# Allegro board zp-dic_pda_8ch_board_v001_166_20241018_1809.brd (continued)
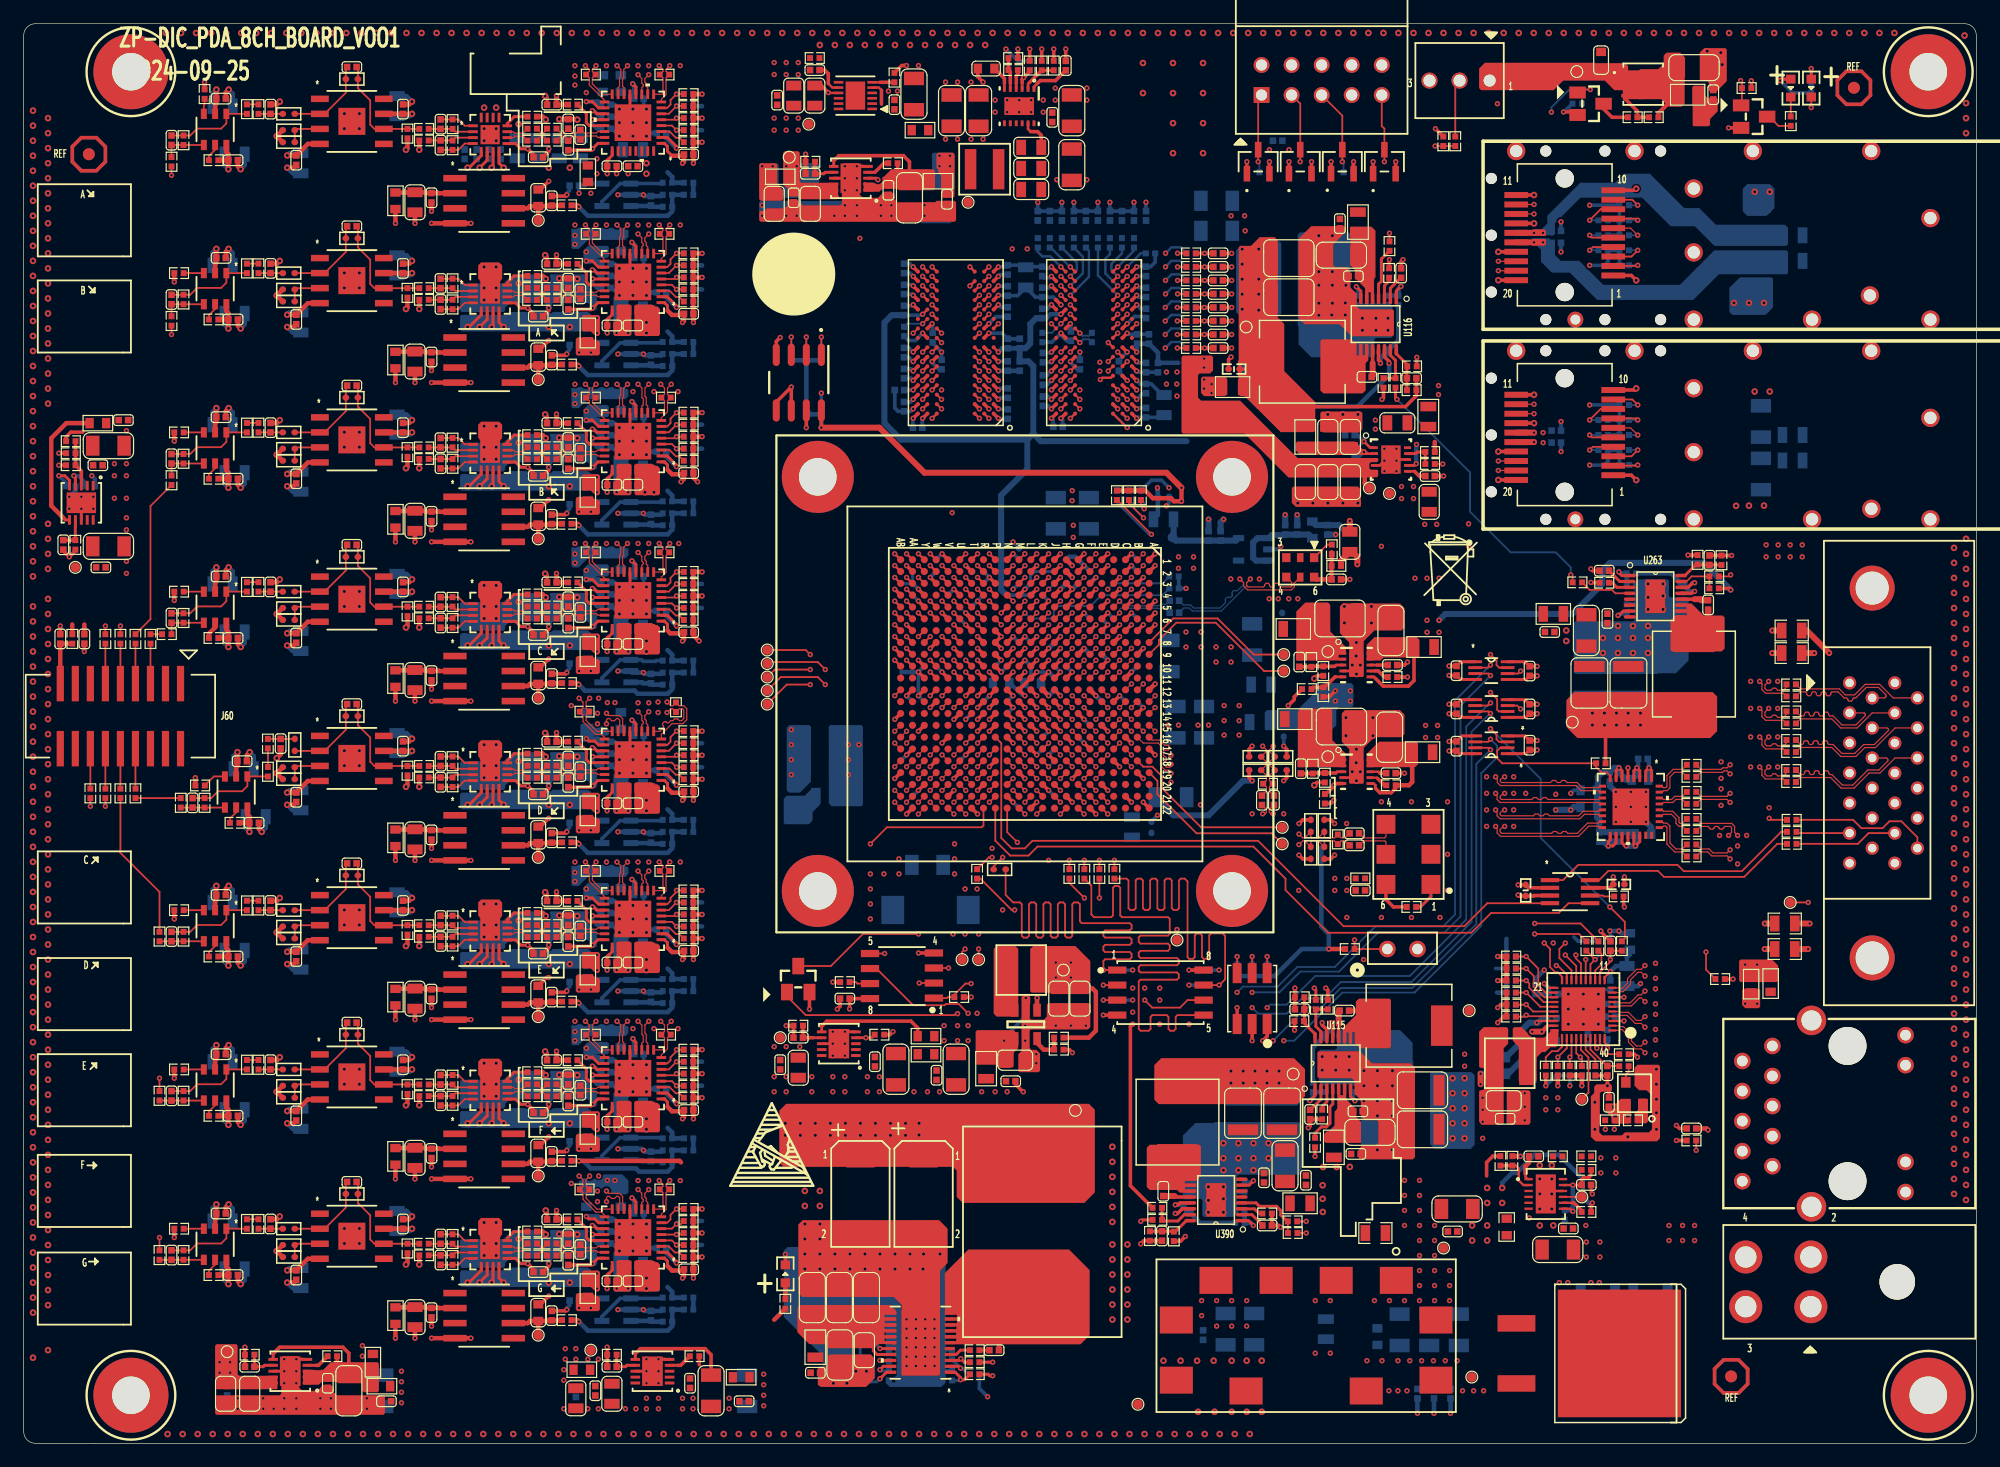
[diagram p0: board, top side]
## Routing (per net, layer and track width the routed paths; a pad name or vN(x,y) marks a point on that pad's centre or on a via; arc(x,y) is an arc through that point) (continued)
GND_EARTH:
  vias: v1(109.14,7.62) v1(110.41,7.62)
VCC1V5: length 36.2
  TOP w0.305: C1186.1 103.42,90.81 ; C1186.1 102.75,91.4 102.79,91.44 ; C1186.1 102.75,90.34 102.92,90.17 ; U116.14 114.99,91.84 115.38,91.45 v1(115.38,91.29) ; 108.63,87.63 116.76,87.63 117.68,88.55 R1072.2 C1192.2
  BOTTOM w0.381: v2(102.96,95.86) 102.96,88.98 104.31,87.63 112.7,87.63 115.38,90.31 v1(115.38,91.29)
  vias: v2(102.96,100.94) v2(102.96,99.67) v2(102.96,98.4) v2(102.96,97.13) v2(104.36,100.94) v2(104.36,98.4) v2(104.36,97.13) v2(104.36,95.78)
VCC1V5_FPGA: length 72.6
  TOP w0.305: U75.B2 v1(81.56,87.44) ; U75.E9 v1(75.16,89.84) ; U76.R1 v1(94.05,98.64) ; U75.K2 v1(81.56,94.64) ; U75.R1 v1(82.36,98.64) ; U75.D2 v1(81.56,89.04) ; U76.N1 v1(94.05,97.04) ; U1.AA7 v1(74.6,69.19) ; U75.A1 v1(82.36,86.64) ; U1.W3 v1(76.6,73.19) ; U76.B2 v1(93.25,87.44) ; U75.C1 v1(82.36,88.24) ; U1.T12 v1(79.6,63.19) ; U75.H2 v1(81.56,92.24) ; U75.K8 v1(76.76,94.64) ; U75.H9 v1(75.16,92.24) ; U76.E9 v1(86.85,89.84) ; U76.G7 v1(88.45,91.44) ; U75.N1 v1(82.36,97.04) ; U75.G7 v1(76.76,91.44) ; U1.R5 v1(80.6,71.19) ; U1.U9 v1(78.6,67.19) ; U1.V6 v1(77.6,70.19) ; U76.A1 v1(94.05,86.64) ; U76.C1 v1(94.05,88.24) ; U76.R9 v1(86.85,98.64) ; U75.N9 v1(75.16,97.04) ; U75.A8 v1(75.96,86.64) ; U1.AB4 v1(73.6,72.19) ; U76.H2 v1(93.25,92.24) ; U76.K8 v1(88.45,94.64) ; U76.C9 v1(86.85,88.24) ; U1.Y10 v1(75.6,66.19) ; U76.D2 v1(93.25,89.04) ; U76.D9 v1(86.85,89.04) ; U1.N1 v1(83.6,75.19) ; U1.T2 v1(79.6,74.19) ; U76.A8 v1(87.65,86.64) ; U75.R9 v1(75.16,98.64) ; U75.F1 v1(82.36,90.64) ; U76.H9 v1(86.85,92.24) ; U1.W13 v1(76.6,62.19) ; U76.K2 v1(93.25,94.64) ; U75.C9 v1(75.16,88.24) ; U75.D9 v1(75.16,89.04) ; U76.F1 v1(94.05,90.64) ; U1.M4 v1(84.6,72.19) ; U76.N9 v1(87.65,96.24)
  BOTTOM w0.254: R2142.1 87.09,73.69 85.42,73.69 85.07,73.34 C516.1
  BOTTOM w0.305: C515.1 84.07,74.72 v1(83.6,75.19) ; v1(93.25,94.64) 93.86,95.25 94.69,95.25 C565.1 ; v1(77.6,70.19) 78.1,69.7 C510.1 ; C508.1 80.1,73.7 v1(79.6,74.19) ; C531.1 82.16,95.23 v1(81.56,94.64) ; C539.1 82.41,86.59 v1(82.36,86.64) ; C535.1 74.95,88.03 v1(75.16,88.24) ; C544.1 C572.1 94.16,90.53 v1(94.05,90.64) ; v1(87.65,96.24) 87,96.88 C570.1 85.5,96.88 C250.1 83.98,97.01 C542.1 83.12,97.04 v1(82.36,97.04) ; v1(86.85,98.64) 86.74,98.53 86.2,98.53 C571.1 ; C529.1 75.15,89.03 v1(75.16,89.04) ; v1(94.05,88.24) 94.56,88.75 C569.1 ; C536.1 74.98,90.02 v1(75.16,89.84) ; R2140.1 80.11,70.7 v1(80.6,71.19) 80.6,71.22 C514.1 ; C561.1 86.78,92.17 v1(86.85,92.24) ; v1(76.6,73.19) 77.11,73.69 C511.1 ; C557.1 89.01,90.79 88.45,91.35 v1(88.45,91.44) ; v1(76.76,91.44) 76.76,91.35 77.33,90.79 C534.1 ; v1(88.45,94.64) 88.49,94.6 C556.1 ; v1(86.85,88.24) 86.6,88.49 C559.1 ; v1(87.65,86.64) 87.8,86.49 C558.1 ; v1(94.05,98.64) 94.07,98.66 C564.1 ; C560.1 86.47,89.46 v1(86.85,89.84) ; v1(84.6,72.19) 85.07,72.66 C516.1 ; v1(93.25,92.24) 92.55,91.55 C567.1 ; v1(94.05,86.64) 94.13,86.72 C568.1 96.18,86.72 C566.1 ; C562.1 94.2,96.88 v1(94.05,97.04) ; C532.1 74.8,92.6 v1(75.16,92.24) ; C530.1 75.93,86.61 v1(75.96,86.64) ; C538.1 74.89,98.91 v1(75.16,98.64) ; C540.1 82.5,88.37 v1(82.36,88.24) ; C543.1 82.51,98.79 v1(82.36,98.64) ; v1(76.76,94.64) 76.8,94.6 C528.1 ; v1(75.16,97.04) 75.07,97.14 C533.1
  BOTTOM w0.381: v1(82.36,90.64) 82.38,90.66 C541.1 C187.1
  vias: v1(88.69,77.6) v1(88.69,76.58) v1(99.74,89.92) v1(99.74,89.15) v1(100.38,89.54) v1(100.38,88.77)
VCC1V5_PG: length 24.9
  TOP w0.152: R1077.1 130.89,73.25 v1(130.73,73.41)
  TOP w0.254: v1(116.04,88.24) 115.92,88.37 R1075.1
  BOTTOM w0.152: v1(116.04,88.24) 122.22,82.06 122.22,78.74 125.65,75.31 129.46,75.31 130.73,74.04 v1(130.73,73.41)
VCC1V8: length 167.3
  TOP w0.254: U287.1 121.44,66.07 C3040.1 ; U49.8 121.39,61.36 C3037.1 ; C3038.1 121.31,58.3 U286.8
  TOP w0.305: R1100.1 110.44,54.08 v1(110.71,54.36) ; v1(109.73,35.56) 109.73,35.36 110.12,34.96 U115.14 ; R3188.1 93.52,21.78 93.52,35.24 v1(93.71,35.43) ; C3037.1 v1(120.44,61.67) ; U102.8 v1(98.47,40.01) ; D3.2 v1(108.82,108.33) ; U273.8 C2494.1 v1(69.79,36.72) ; R1058.1 110.2,38.31 v1(110.03,38.48) ; C3040.1 v1(120.44,65.71) ; R1885.1 v1(85.01,117.86) ; v1(144.24,72.14) 144.12,72.27 R1076.1 ; R1928.1 v1(119.29,111.12) ; v1(110.84,63.61) 110.33,63.1 R1112.1 ; R1074.1 114.9,88.37 v1(114.77,88.24) ; C3038.1 v1(120.44,58.53) ; D4.2 v1(112.38,108.33) ; D5.2 v1(115.93,108.33) ; D2.2 v1(105.27,108.33) ; v1(135.26,45.34) 135.19,45.41 R2598.2 ; U154.3 127.63,46.31 127.59,46.27 C1492.1 126.37,46.27 v1(126.28,46.36) ; v1(107.42,38.48) R1057.2 C1180.2 ; R2153.1 v1(68.37,38.99) ; R2152.1 v1(80.06,37.72) ; R395.1 v1(145.99,115.17) ; U79.8 v1(67.4,85.85)
  TOP w0.381: R337.2 R339.2 R338.2 94.77,80.54 95.42,79.88 96.95,79.88 97.2,79.63 v1(97.84,79.63) v1(97.84,80.77)
  TOP w0.508: v1(67.4,85.85) 72.31,85.85 76.12,82.04 96.57,82.04 v1(97.84,80.77)
  ART03 w0.381: v1(85.01,117.86) 87.17,115.7 89.71,115.7 95.55,109.86 103.74,109.86 v1(105.27,108.33)
  BOTTOM w0.305: R497.1 v1(93.71,37.47) ; R2247.2 131.35,42.44 130.98,42.8 ; R456.1 105.22,108.29 v1(105.27,108.33) ; R455.1 112.33,108.29 v1(112.38,108.33) ; R4.1 R42.1 v1(98.22,72.26) ; R496.1 v1(93.71,40.01) ; C641.1 v1(98.47,40.01) ; R498.1 v1(98.47,38.74) ; R2239.2 124.38,40.13
  BOTTOM w0.381: R500.1 66.13,87.36 66.51,86.98 C642.1 v1(67.4,85.85) ; R500.1 R501.1 ; R500.1 R499.1 ; R2238.2 124.51,38.1 ; R2238.2 R2237.2 R2239.2 R2232.2 125.3,42.64 ; R2238.2 R2234.2 R2233.2
  BOTTOM w0.508: v1(144.24,72.14) 141.96,74.42 134.03,74.42 133.4,73.79 133.4,72.64 130.86,70.1 120.13,70.1 v1(119.6,69.57)
  vias: v1(93.71,38.48) v1(93.71,36.45) v1(96,38.48) v1(96,37.47) v1(96,35.43) v1(98.47,35.43) v1(106.92,109.35) v1(110.84,62.74) v1(112.11,63.61) v1(112.11,62.74) v1(118.46,60.68) v1(118.46,59.66) v1(118.58,69.57) v1(118.58,68.55) v1(119.47,60.68) v1(119.47,59.66) v1(119.6,68.55) v2(120.74,30.86) v2(120.74,29.59) v2(120.74,28.32) v2(120.74,27.05) v2(120.74,25.78) v2(121.76,30.86) v2(121.76,29.59) v2(121.76,28.32) v2(121.76,27.05) v2(121.76,25.78)
VCC1V8_A:
  vias: v1(46.58,115.57) v1(46.58,114.81) v1(46.58,102.11) v1(46.58,101.35) v1(46.58,88.65) v1(46.58,87.88) v1(46.58,75.18) v1(46.58,74.42) v1(46.58,48.26) v1(46.58,47.5) v1(46.58,34.8) v1(46.58,34.04) v1(49.32,62.61) v1(49.32,22.23) v1(49.96,62.61) v1(49.96,22.23) v1(63.42,33.53) v1(64.44,33.53) v1(65.58,33.53)
VCC1V8_FPGA: length 8
  TOP w0.305: U1.K20 v1(86.6,55.19) ; U1.F22 v1(90.6,53.19) ; U1.P18 v1(81.6,57.19) ; U1.J7 v1(87.6,69.19) ; U1.N7 v1(83.6,69.19) ; U1.G19 v1(88.61,56.19) ; U1.L17 v1(85.6,58.19) ; U1.N21 v1(83.6,54.19)
  BOTTOM w0.305: C401.1 84.1,53.69 v1(83.6,54.19) ; v1(85.6,58.19) 86.1,58.69 C403.1 ; C2495.1 87.1,54.69 v1(86.6,55.19)
  vias: v1(69.69,59.06) v1(69.69,57.79) v1(69.69,56.52) v1(70.58,59.06)
VCC1V8_PG: length 87
  TOP w0.152: R1067.1 v1(115.41,102.28)
  TOP w0.254: v1(109.06,38.48) 109.19,38.35 R1060.1
  ART03 w0.102: v1(109.06,38.48) 109.06,38.53 109.52,38.99 110.54,38.99 110.92,38.61 119.93,38.61 128.27,46.94 128.27,56.18 126.26,58.19 123.55,58.19 122.25,59.5 122.25,71.37 120.06,73.56 120.06,77.85 119.3,78.61 119.3,86.87 118.16,88.01 118.16,99.54 v1(115.41,102.28)
VCC2V5: length 26.6
  TOP w0.381: C1259.1 90.32,38.44 90.6,38.16 90.6,34.88 90.01,34.29 R1129.1 ; R2120.1 v1(110.28,41.78)
  BOTTOM w0.381: R2154.1 R2155.1 R2156.1 105.71,39.5 108,41.78 v1(110.28,41.78) 110.28,43.05 109.65,43.69 109.65,50.38
  vias: v1(87.22,40.64) v1(87.22,39.37) v1(88.49,40.64) v1(88.49,39.37)
VCC2V5_AMP: length 35
  TOP w0.381: R2758.1 C3193.1 ; C3193.1 17.3,95.52 17.13,95.7 U354.6 ; C3193.1 v2(17.3,94.23) ; C3101.1 17.3,68.6 17.13,68.77 U342.6 ; C3101.1 R2674.1 ; C3101.1 v2(17.3,67.31) ; R2737.1 C3170.1 ; C3170.1 v2(17.3,40.39) ; C3170.1 17.3,41.68 17.13,41.85 U353.6 ; C3124.1 19.08,52.98 18.9,53.15 U346.6 ; C3124.1 R2696.1 ; C3124.1 v2(19.08,51.69) ; C3239.1 v2(17.3,107.7) ; C3239.1 17.3,108.99 17.13,109.16 U361.6 ; C3239.1 R2800.1 ; C3147.1 v2(17.3,80.77) ; C3147.1 R2716.1 ; C3147.1 17.3,82.06 17.13,82.24 U350.6 ; C3216.1 17.3,28.21 17.13,28.39 U357.6 ; C3216.1 v2(17.3,26.92) ; C3216.1 R2779.1 ; R2821.1 C3262.1 ; C3262.1 17.3,14.75 17.13,14.93 U363.6 ; C3262.1 v2(17.3,13.46)
  BOTTOM w0.381: C3240.1 16.98,108.02 v2(17.3,107.7) ; v2(17.3,13.46) 16.98,13.78 C3263.1 ; v2(17.3,67.31) 16.98,67.63 C3102.1 ; v2(17.3,80.77) 16.98,81.09 C3148.1 ; C3217.1 16.98,27.25 v2(17.3,26.92) ; C3125.1 18.76,52.01 v2(19.08,51.69) ; C3171.1 16.98,40.71 v2(17.3,40.39) ; C3194.1 16.98,94.56 v2(17.3,94.23)
  vias: v1(16.56,6.86) v1(16.56,5.97) v1(17.45,6.86) v1(17.45,5.97)
VCC2V5_FPGA: length 43
  TOP w0.305: U1.E15 v1(91.6,60.19) ; v1(106.47,56.01) 106.73,56.26 R2204.1 ; U1.A17 v1(95.6,58.19) ; 109.9,52.71 110.45,52.71 v1(110.77,52.39) ; U1.AB14 v1(73.6,61.19) ; U1.C21 v1(93.6,54.19) ; v1(110.77,49.72) 110.45,49.4 R2208.1 ; U1.V16 v1(77.6,59.19) ; U1.AA17 v1(74.6,58.19) ; U1.Y20 v1(75.6,55.19) ; R2205.1 103.55,56.26 v1(103.81,56.01) ; U1.B14 v1(94.6,62.19) ; U1.D18 v1(92.6,57.19) ; U1.T22 v1(80.6,53.19) ; U1.H16 v1(88.6,59.19) ; U1.U19 v1(78.6,56.19)
  TOP w0.381: U1.D8 v1(92.6,68.19) ; U1.F12 v1(90.6,63.19) ; U1.C11 v1(93.6,65.19) ; U1.G9 v1(89.6,67.19)
  ART03 w0.508: v1(103.81,56.01) v1(106.47,56.01) 107.15,56.01 v1(110.77,52.39) v1(110.77,49.72)
  BOTTOM w0.305: v1(91.6,60.19) 91.09,60.71 C434.1 ; v1(94.6,62.19) 94.1,62.69 C415.1 ; v1(74.6,58.19) 74.11,57.7 C410.1 ; v1(88.6,59.19) 88.17,59.63 C417.1 ; v1(78.6,56.19) U1.U19 C409.1 ; C440.1 94.1,65.69 v1(93.6,65.19) ; C408.1 75.11,54.7 v1(75.6,55.19)
  BOTTOM w0.381: v1(90.6,63.19) 91.1,62.7 C441.1 ; C438.1 90.1,66.7 v1(89.6,67.19)
  BOTTOM w0.508: v1(103.81,56.01) 103.04,56.01 100.12,53.09 97.15,53.09 C414.1
  vias: v1(100.76,67.31) v1(100.76,66.04) v1(102.03,67.31) v1(102.03,66.04)
VCC3V3: length 64
  TOP w0.254: C3041.1 126.86,66.07 U287.8 ; C3036.1 126.94,61.36 U49.1 ; U286.1 126.94,58.3 C3039.1
  TOP w0.305: R2251.2 v1(128.62,30.23) ; C3036.1 v1(127.88,61.67) ; v1(148.43,115.19) 148.55,115.31 DS10.1 ; 133.65,59.69 133.67,59.67 R2135.1 ; R834.1 v1(139.66,25.6) ; R1150.1 73.2,34.54 v1(73.45,34.8) ; C1207.2 R1085.2 v1(144.32,75.05) ; v1(127.88,58.61) C3039.1 ; U263.14 140.64,72.35 141.04,72.74 v1(141.19,72.74) ; C3041.1 v1(127.88,65.68) ; U154.7 134.04,46.96 C1491.1 v1(134.32,47.88)
  TOP w0.508: L282.2 111.32,74.61 C2484.1 112.28,75.35 112.7,74.93 v1(112.7,74.3) ; v1(123.11,31.24) v1(123.11,30.35)
  BOTTOM w0.305: R2144.1 R2148.1 R2149.1 ; v1(134.03,43.31) 134.08,43.26 R2252.1 ; R2250.2 v1(130.65,30.23) ; R2250.2 R2249.2 ; R2250.2 R2248.2 129.49,31.1 v1(128.62,30.23) ; R2149.1 R2150.1 v1(132.32,87.77) ; R2149.1 R2151.1 ; R392.1 R13.1 R516.1 ; R392.1 R14.1 ; R392.1 R391.1 v1(132.32,104.65) ; v1(132.32,82.69) 133.56,82.69 133.87,83 R2145.1 R2147.1 R2146.1 ; v1(148.43,115.19) 149.47,114.15 R87.1 ; v1(132.32,99.57) 133.56,99.57 133.87,99.88 R517.1 R12.1 R11.1
  BOTTOM w0.381: L243.1 134.98,43.12 v1(134.79,43.31) v1(134.03,43.31)
  BOTTOM w0.508: L283.1 130.98,53.8 v1(130.73,53.54) v1(129.46,53.54) ; 112.44,77.09 111.68,77.09 111.15,77.62 C2485.2 109.19,77.62 L288.1 ; L244.1 v1(123.11,31.24)
  vias: v1(28.62,8.26) v1(28.62,7.37) v1(78.91,35.31) v1(78.91,34.04) v1(79.8,35.31) v1(79.8,34.04) v1(80.95,29.72) v1(82.09,29.72) v1(83.1,29.72) v1(110.79,47.75) v1(111.81,47.75) v1(119.55,89.41) v1(119.55,88.65) v1(128.62,29.21) v1(128.62,28.19) v1(129.63,29.21) v1(129.63,28.19) v1(133.65,26.54) v1(134.41,26.54) v1(147.24,75.95) v1(147.24,74.93) v1(148.26,75.95) v1(148.26,74.93) v1(149.27,75.95) v1(149.27,74.93) v1(150.29,75.95) v1(150.29,74.93) v2(132.56,61.73) v2(132.56,60.71) v2(133.57,61.73) v2(133.57,60.71) v2(134.59,61.73) v2(134.59,60.71) v2(135.58,61.73) v2(135.58,60.71) v2(136.62,61.73) v2(136.62,60.71)
VCC3V3_PG: length 175.2
  TOP w0.152: v1(144.24,73.41) 144.12,73.28 R1078.1 ; R3189.1 v1(108.38,18.77)
  TOP w0.305: R1884.1 v1(86.03,117.86)
  ART03 w0.102: v1(86.03,117.86) 87.04,116.84 89.58,116.84 95.68,110.74 107.23,110.74 111.55,106.43 112.44,106.43 121.08,97.79 121.08,76.84 v1(122.09,75.82) ; v1(144.24,73.41) 137.21,73.41 130.09,66.29 130.09,51.31 129.23,50.44 129.23,46.3 125.52,42.6 125.52,38.86 123.49,36.83 123.49,32.51 122.47,31.5 122.47,26.59 v1(123.28,25.78)
  ART08 w0.102: v1(144.24,73.41) 144.19,73.41 140.89,76.71 122.98,76.71 v1(122.09,75.82) ; v1(108.38,18.77) 108.38,24.51 110.28,26.42 122.65,26.42 v1(123.28,25.78)
VCC5V5: length 3.3
  TOP w0.305: C3392.2 R3191.2 94.66,17.13 v1(94.39,16.86) ; U390.14 97.9,19.82 97.51,19.43 v1(97.31,19.43)
  vias: v1(31.92,6.1) v1(31.92,5.21) v1(31.92,4.32) v1(31.92,3.43) v1(62.53,5.84) v1(62.53,4.95) v1(62.53,4.06) v1(62.53,3.18) v1(77.39,108.84) v1(77.39,107.95) v1(77.77,35.31) v1(77.77,34.04) v1(78.28,108.84) v1(78.28,107.95) v2(102.01,31.47) v2(102.01,30.45) v2(103.05,31.47) v2(103.05,30.45) v2(104.05,31.47) v2(104.05,30.45) v2(105.06,31.47) v2(105.06,30.45) v2(106.08,31.47) v2(106.08,30.45)
VCC5V5_PG: length 55.7
  TOP w0.152: U1.R21 v1(80.6,54.19)
  TOP w0.254: R3201.1 94.52,18.89 v1(94.39,18.77)
  ART08 w0.102: v1(94.39,18.77) 93.52,19.64 93.52,26.54 91.61,28.45 79.29,28.45 76.25,31.5 76.25,39.34 75.1,40.49 75.1,48.23 78.6,51.73 79.79,51.73 81.02,52.96 81.02,53.37 80.6,53.78 v1(80.6,54.19)
VCC5V_A: length 21.3
  BOTTOM w0.305: v1(46.93,92.2) C3340.2 47.42,92.84 47.61,93.02 U380.5 ; U377.5 47.12,39.18 C3326.2 v1(46.93,38.35) ; v1(46.93,105.66) C3368.2 47.42,106.3 47.61,106.49 U386.5 ; U389.5 47.61,12.25 47.42,12.07 C3382.2 v1(46.93,11.43) ; U383.5 47.24,25.84 C3354.2 v1(46.93,24.89) ; U371.5 47.61,52.64 47.42,52.45 C3298.2 v1(46.93,51.82) ; U374.5 47.61,79.56 47.42,79.38 C3312.2 v1(46.93,78.74) ; U368.5 47.24,66.23 C3284.2 v1(46.93,65.28)
  vias: v1(47.93,105.66) v1(47.93,92.2) v1(47.93,78.74) v1(47.93,65.28) v1(47.93,51.82) v1(47.93,38.35) v1(47.93,24.89) v1(47.93,11.43) v1(64.44,107.95) v1(65.32,107.95)
VCC5V_ADA4945: length 58.1
  TOP w0.254: U345.6 39.17,54.61 v2(38.53,53.98) ; v2(37.51,67.44) 37.64,67.44 38.67,68.46 U344.5 ; v2(40.56,27.05) 40.17,27.44 U359.8 ; v2(40.56,107.82) 40.17,108.22 U360.8 ; v2(40.56,67.44) 40.17,67.83 U344.8 ; U364.5 38.67,14.62 37.64,13.59 v2(37.51,13.59) ; v2(38.53,67.44) 39.17,68.08 U344.6 ; U364.8 40.17,13.98 v2(40.56,13.59) ; U352.6 39.17,41.15 v2(38.53,40.51) ; U352.5 38.67,41.54 37.64,40.51 v2(37.51,40.51) ; U349.7 39.67,81.02 v2(39.54,80.9) ; U364.7 39.67,13.71 v2(39.54,13.59) ; U345.5 38.67,55 37.64,53.98 v2(37.51,53.98) ; v2(38.53,107.82) 39.17,108.46 U360.6 ; v2(37.51,80.9) 37.64,80.9 38.67,81.93 U349.5 ; U359.5 38.67,28.08 37.64,27.05 v2(37.51,27.05) ; U364.6 39.17,14.23 v2(38.53,13.59) ; v2(40.56,80.9) 40.17,81.29 U349.8 ; v2(39.54,67.44) 39.67,67.56 U344.7 ; U355.8 40.17,94.75 v2(40.56,94.36) ; v2(39.54,107.82) 39.67,107.95 U360.7 ; v2(39.54,40.51) 39.67,40.64 U352.7 ; U352.8 40.17,40.91 v2(40.56,40.51) ; v2(38.53,80.9) 39.17,81.54 U349.6 ; U360.5 38.67,108.85 37.64,107.82 v2(37.51,107.82) ; v2(40.56,53.98) 40.17,54.37 U345.8 ; U359.6 39.17,27.69 v2(38.53,27.05) ; U355.7 39.67,94.48 v2(39.54,94.36) ; v2(37.51,94.36) 37.64,94.36 38.67,95.39 U355.5 ; v2(38.53,94.36) 39.17,95 U355.6 ; U359.7 39.67,27.17 v2(39.54,27.05) ; U345.7 39.67,54.1 v2(39.54,53.98)
  TOP w0.381: R2719.1 43.86,85.22 v2(44.12,84.96) ; R2677.1 43.86,71.76 v2(44.12,71.5) ; R2740.1 43.86,44.83 v2(44.12,44.58) ; R2824.1 43.86,17.91 v2(44.12,17.65) ; v2(44.12,98.43) 43.86,98.68 R2761.1 ; R2803.1 43.86,112.14 v2(44.12,111.89) ; R2782.1 43.86,31.37 v2(44.12,31.12) ; R2698.1 43.86,58.29 v2(44.12,58.04)
  vias: v1(45.64,6.22) v1(45.64,5.33) v1(45.77,8) v1(45.77,7.11) v1(46.66,8) v1(46.66,7.11) v2(44.37,107.82) v2(44.37,94.36) v2(44.37,80.9) v2(44.37,67.44) v2(44.37,53.98) v2(44.37,40.51) v2(44.37,27.05) v2(44.37,13.59) v2(46.15,107.82) v2(46.15,94.36) v2(46.15,80.9) v2(46.15,67.44) v2(46.15,53.98) v2(46.15,40.51) v2(46.15,27.05) v2(46.15,13.59)
VCC5V_AMP: length 29.8
  TOP w0.381: U362.7 C3235.1 v2(32.81,112.38) ; v2(32.81,85.45) C3143.1 U348.7 ; U347.7 C3120.1 v2(32.81,58.53) ; U351.7 C3166.1 v2(32.81,45.07) ; v2(32.81,71.99) C3097.1 U343.7 ; U356.7 C3189.1 v2(32.81,98.91) ; v2(32.81,18.14) C3258.1 U365.7 ; v2(32.81,31.6) C3212.1 U358.7
  BOTTOM w0.381: C3190.1 32.62,98.72 v2(32.81,98.91) ; v2(32.81,18.14) 32.62,17.95 C3259.1 ; C3167.1 32.62,44.87 v2(32.81,45.07) ; C3098.1 32.62,71.79 v2(32.81,71.99) ; C3121.1 32.62,58.33 v2(32.81,58.53) ; v2(32.81,112.38) 32.62,112.18 C3236.1 ; v2(32.81,31.6) 32.62,31.41 C3213.1 ; v2(32.81,85.45) 32.62,85.26 C3144.1
  vias: v1(47.67,7.11) v1(48.56,7.11)
VCC5V_VREF: length 9.6
  TOP w0.381: L299.1 v1(31.42,62.74) ; L306.1 v1(31.42,8.89) ; L305.1 v1(31.42,103.12) ; L304.1 v1(31.42,22.35) ; L300.1 v1(31.42,49.28) ; L303.1 v1(31.42,89.66) ; L301.1 v1(31.42,76.2) ; L302.1 v1(31.42,35.81)
  vias: v1(62.4,107.95) v1(63.29,107.95)
VCC10V: length 1.6
  TOP w0.381: C3069.1 5.13,69.22 ; R2659.1 4.11,69.22
VCC10V_EN: length 196
  TOP w0.152: U1.M16 v1(84.6,59.19)
  TOP w0.305: R2666.1 v1(2.97,83.69)
  ART03 w0.102: v1(70.66,101.85) 69.26,101.85 66.98,104.14 66.98,116.84 65.96,117.86 14.65,117.86 2.97,106.17 v1(2.97,83.69)
  ART06 w0.114: v1(70.66,101.85) 67.93,99.13 67.93,92.71 66.57,91.35 66.57,89.26 63.95,86.64 63.95,62.59 67.23,59.31 67.23,52.58 71.04,48.77 86.1,48.77 v1(86.61,49.28)
  ART08 w0.102: v1(86.61,49.28) 86.61,54.63 86.21,55.03 86.21,56.03 86.21,56.03 86.21,56.46 85.98,56.69 85.55,56.69 85.21,57.03 85.21,58.59 v1(84.6,59.19)
VCC12V: length 3.5
  TOP w0.381: 63.42,10.45 R2050.1
  BOTTOM w0.305: v1(81.45,3.94) 80.76,4.63 R1045.1
  vias: v2(96.31,6.99) v2(97.76,6.99) v2(99.15,6.99) v2(99.23,2.67) v2(100.55,6.99) v2(100.63,2.67) v2(102.07,6.99) v2(102.07,2.67) v2(103.34,6.99) v2(103.34,2.67) v2(104.61,6.99) v2(104.61,2.67) v2(109.76,21.81) v2(109.76,20.67) v2(109.81,23.35) v2(109.77,19.56) v2(110.95,23.35) v2(112.06,23.37)
VCC12V_FAN_EN: length 121.1
  TOP w0.152: U1.M21 v1(83.6,55.19)
  ART03 w0.102: v1(129.46,54.86) 129.46,58.8 126.79,61.47 125.78,61.47 124.22,63.03 123.71,63.03 123.49,63.25 123.49,78.51 125.52,80.54 125.52,89.28 127.15,90.91 127.15,97.38 129.08,99.31 129.08,107.61 129.44,107.97 129.44,112.18 v1(129.09,112.52)
  ART08 w0.102: v1(83.6,55.19) 83.6,55.24 84,55.63 84,59.57 84.23,59.8 87.91,59.8 88.06,59.94 88.06,60.33 88.32,60.59 89.44,60.59 89.44,60.59 91.77,60.59 92,60.36 92,59.94 92.35,59.59 94.33,59.59 95.09,58.83 101.24,58.83 102.03,58.04 113.08,58.04 114.98,56.13 120.57,56.13 122.68,54.03 128.62,54.03 v1(129.46,54.86)
  BOTTOM w0.152: R1197.2 130.57,114.39 129.09,112.92 v1(129.09,112.52)
VCC12V_IN: length 14.9
  TOP w0.305: R1033.1 132.45,20.21 v1(132.55,20.32) ; R1040.1 124.15,24.28 123.62,23.75 123.62,22.61
  BOTTOM w0.381: v2(124.93,21.59) 124.93,22.02 125.78,22.86 126.16,22.86 127.68,24.38 129.71,24.38 131.75,22.35 131.75,20.83 132.25,20.32 v1(132.55,20.32)
  vias: v1(113.5,6.99) v1(114.77,6.99) v1(115.36,4.45) v1(116.13,6.99) v1(116.12,4.45) v1(116.89,4.45) v1(117.13,6.99) v1(118.13,6.99) v1(119.13,6.99) v1(120.13,6.99) v1(121.12,6.99) v1(121.59,4.45) v1(122.52,4.45) v1(123.36,4.45) v2(122.39,18.42) v2(122.39,17.15) v2(123.66,21.59) v2(123.66,20.32) v2(123.66,18.42) v2(123.66,17.15) v2(124.93,20.32)
VCC12V_IN_CON:
  vias: v1(127.22,19.05) v1(132,18.42) v1(132.05,17.02) v1(132.05,15.75) v1(133.27,24.13) v1(133.27,22.86) v1(133.19,17.02) v1(133.19,15.75) v1(134.54,24.13) v1(134.54,22.86) v1(139.03,18.42) v1(139.03,17.15) v1(140.17,18.42) v1(140.17,17.15) v1(141.19,18.42) v1(141.19,17.15)
VCC-2V5_AMP: length 64.1
  TOP w0.381: U347.4 24.01,55.99 C3119.1 v2(22.27,55.01) ; v2(16.28,114.43) C3234.1 16.28,113.26 16.18,113.16 U361.2 ; U343.4 24.01,69.45 C3096.1 v2(22.27,68.47) ; U351.4 24.01,42.53 C3402.1 v2(22.27,41.55) ; U348.4 24.01,82.91 C3142.1 v2(22.27,81.93) ; v2(16.28,33.66) C3211.1 16.28,32.49 16.18,32.38 U357.2 ; v2(16.28,20.19) C3257.1 16.28,19.03 16.18,18.92 U363.2 ; v2(16.28,47.12) C3165.1 16.28,45.95 16.18,45.85 U353.2 ; v2(16.28,100.97) C3188.1 16.28,99.8 16.18,99.69 U354.2 ; v2(22.27,108.86) C3408.1 24.01,109.84 U362.4 ; U356.4 24.01,96.37 C3404.1 v2(22.27,95.4) ; v2(22.27,14.62) C3410.1 24.01,15.6 U365.4 ; v2(16.28,74.04) C3396.1 16.28,72.88 16.18,72.77 U342.2 ; v2(16.28,87.5) C3400.1 16.28,86.34 16.18,86.23 U350.2 ; v2(18.06,58.42) C3398.1 18.06,57.26 17.95,57.15 U346.2 ; v2(22.27,28.09) C3406.1 24.01,29.06 U358.4
  BOTTOM w0.381: v2(22.27,14.62) 22.47,14.82 C3256.1 ; v2(16.28,100.97) 15.96,100.64 C3403.1 ; C3401.1 15.96,46.79 v2(16.28,47.12) ; C3409.1 15.96,19.87 v2(16.28,20.19) ; v2(22.27,95.4) 22.47,95.59 C3187.1 ; C3397.1 22.47,55.21 v2(22.27,55.01) ; v2(22.27,68.47) 22.47,68.67 C3095.1 ; C3233.1 22.47,109.05 v2(22.27,108.86) ; C3399.1 22.47,82.13 v2(22.27,81.93) ; v2(16.28,87.5) 15.96,87.18 C3141.1 ; v2(18.06,58.42) 17.74,58.1 C3118.1 ; C3164.1 22.47,41.74 v2(22.27,41.55) ; v2(16.28,74.04) 15.96,73.72 C3395.1 ; C3405.1 15.96,33.33 v2(16.28,33.66) ; v2(22.27,28.09) 22.47,28.28 C3210.1 ; C3407.1 15.96,114.1 v2(16.28,114.43)
  vias: v1(63.42,112.01) v1(63.42,111) v1(64.44,112.01) v1(64.44,111) v1(65.45,112.01) v1(65.45,111)
VCC-3V_A:
  vias: v1(77.9,110.24) v1(78.91,110.24) v1(80.06,110.24) v1(81.07,110.24)
VCC-3V_PG: length 101.5
  TOP w0.152: U1.P20 v1(81.6,55.19)
  ART06 w0.114: v1(83,117.86) 83.61,117.24 83.61,105.79 83.36,105.54 75.74,105.54 68.25,98.04 68.25,92.52 66.97,91.24 66.97,89.02 64.33,86.38 64.33,62.74 67.6,59.46 67.6,52.84 70.53,49.91 78.02,49.91 78.66,50.55 v1(78.66,50.67)
  ART08 w0.102: v1(81.6,55.19) 81.21,54.8 81.21,53.96 81.58,53.59 81.58,52.53 79.73,50.67 v1(78.66,50.67)
  BOTTOM w0.305: v1(83,117.86) 83.99,116.86 R1886.1
VCCAUX: length 10.9
  TOP w0.305: U1.R9 v1(80.6,67.19) ; U1.M10 v1(84.6,66.19) ; U1.P10 v1(82.6,65.19) ; v1(82.6,67.19) U1.P8 v1(82.6,68.19) U1.P7 ; U1.R11 v1(80.6,65.19) ; U1.K10 v1(86.6,66.19) ; U1.P12 v1(81.6,63.19)
  BOTTOM w0.305: v1(82.6,65.19) 83.08,65.67 C420.1 ; v1(81.6,63.19) 81.11,62.7 C418.1 ; v1(84.6,66.19) 85.11,65.69 85.11,64.81 L5.2 ; U1.R9 v1(80.6,67.19)
  vias: v1(101.44,62.36) v1(101.44,61.09) v1(101.44,59.87) v1(102.71,62.36) v1(102.71,61.09) v1(102.71,59.87)
VCCINT_FPGA: length 43.7
  TOP w0.254: v1(81.88,5.72) 81.63,5.72 81.5,5.84 R1047.2
  TOP w0.305: U1.J15 v1(87.6,60.19) ; U1.L15 v1(85.6,60.19) ; U1.K14 v1(86.6,61.19) ; U1.P14 v1(81.6,61.19) ; U1.L13 v1(85.6,62.19) ; U1.M8 v1(84.6,68.19) ; U1.R13 v1(80.6,62.19) ; U1.R15 v1(80.6,60.19) ; U1.J9 v1(87.6,67.19) ; U1.J13 v1(87.6,62.19) ; U1.M14 v1(84.6,61.19) ; U1.N15 v1(83.6,60.19) ; U1.J11 v1(87.6,65.19) ; U1.N13 v1(83.6,62.19) ; U1.L9 v1(85.6,67.19) ; U1.K8 v1(86.6,68.19) ; U1.N9 v1(83.6,67.19)
  ART06 w0.381: v2(75.66,26.06) 75.66,17.73 76.75,16.64 76.75,12.19 77.59,11.35 77.59,5.77 78.66,4.7 80.87,4.7 v1(81.88,5.72)
  BOTTOM w0.305: v1(87.6,65.19) 87.13,65.66 C153.1 ; C155.1 82.11,61.69 v1(81.6,61.19) ; v1(83.6,67.19) 83.1,66.69 C165.1 ; v1(84.6,68.19) 85.08,67.72 C494.1 ; C166.1 83.13,61.72 v1(83.6,62.19)
  BOTTOM w0.381: v1(87.6,67.19) 87.13,66.72 C495.1
  vias: v1(71.55,46.86) v1(71.55,45.59) v1(71.55,44.32) v1(73.96,49.4) v1(73.96,48.13) v2(64.36,27.05) v2(64.36,26.04) v2(65.63,27.05) v2(65.63,26.04) v2(66.9,27.05) v2(66.9,26.04) v2(68.17,27.05) v2(68.17,26.04) v2(69.44,27.05) v2(69.44,26.04) v2(70.71,27.05) v2(70.71,26.04) v2(71.98,27.05) v2(71.98,26.04) v2(73.25,27.05) v2(73.25,26.04) v2(74.52,27.05) v2(74.52,26.04) v2(75.66,27.05)
VCCINT_FPGA_PG: length 43.6
  TOP w0.254: R1041.2 79.49,6.86 v1(79.19,7.16) 79.04,7.01 U113.3
  TOP w0.305: v1(109.13,24.26) 109.12,24.26 R1059.1
  ART08 w0.102: v1(109.13,24.26) 109.13,17.64 108.63,17.15 101.27,17.15 91.99,7.87 79.93,7.87 79.24,7.19 79.22,7.19 v1(79.19,7.16)
ADC1_CLK_N: length 53.2
  TOP w0.102: v1(48.36,76.06) 48.05,75.75 48.05,75.58 R3013.1 48.05,75.04 48.05,74.53 48.93,73.65 U366.16 ; U1.V18 v1(77.6,58.19)
  ART03 w0.102: v1(77.6,58.19) 77.9,58.19 78,58.29 78,58.49 77.9,58.59 73.46,58.59 73.29,58.42 71.8,58.42 71.6,58.22 64.45,58.22 63.78,58.89 63.78,60.79 61.11,63.46 61.11,74.13 55.99,79.25 52.12,79.25 50.57,77.7 49.24,77.7 48.12,76.58 48.12,76.3 v1(48.36,76.06)
ADC1_CLK_P: length 54.1
  TOP w0.102: U366.17 49.08,73.14 47.8,74.42 47.8,75.04 R3013.2 47.8,75.58 47.8,75.73 v1(47.47,76.06) ; U1.U17 v1(78.6,58.19)
  ART03 w0.102: v1(78.6,58.19) 78.31,58.19 78.21,58.29 78.21,58.57 77.99,58.79 73.32,58.79 73.29,58.83 71.64,58.83 71.43,58.62 64.61,58.62 64.18,59.06 64.18,60.96 61.51,63.63 61.51,74.29 56.16,79.65 51.95,79.65 50.4,78.11 49.07,78.11 47.71,76.75 47.71,76.3 v1(47.47,76.06)
ADC1_CNV_N: length 50.6
  TOP w0.102: U366.8 53.88,73.22 54.28,73.61 54.28,75.04 R3012.1 54.28,75.58 54.28,75.74 v1(54.59,76.06) ; U1.U20 v1(79.6,55.19)
  ART03 w0.102: v1(79.6,55.19) 79.6,55.49 79.5,55.59 73.33,55.59 73.23,55.69 72.7,55.69 72.63,55.63 63.98,55.63 61.62,57.99 61.62,60.04 59.08,62.58 59.08,69.33 58.97,69.43 58.63,69.43 58.29,69.77 58.29,70.52 58.63,70.86 58.97,70.86 59.08,70.96 59.08,71.36 58.97,71.46 58.07,71.46 57.73,71.8 57.73,72.55 58.07,72.89 58.97,72.89 59.08,72.99 59.08,73.18 57.52,74.73 57.38,74.73 57.21,74.57 56.73,74.57 56.2,75.09 56.2,75.57 56.37,75.74 56.37,75.88 55.7,76.56 54.45,76.56 54.35,76.45 54.35,76.3 v1(54.59,76.06)